# KiCad board CamTracker.kicad_pcb (continued)
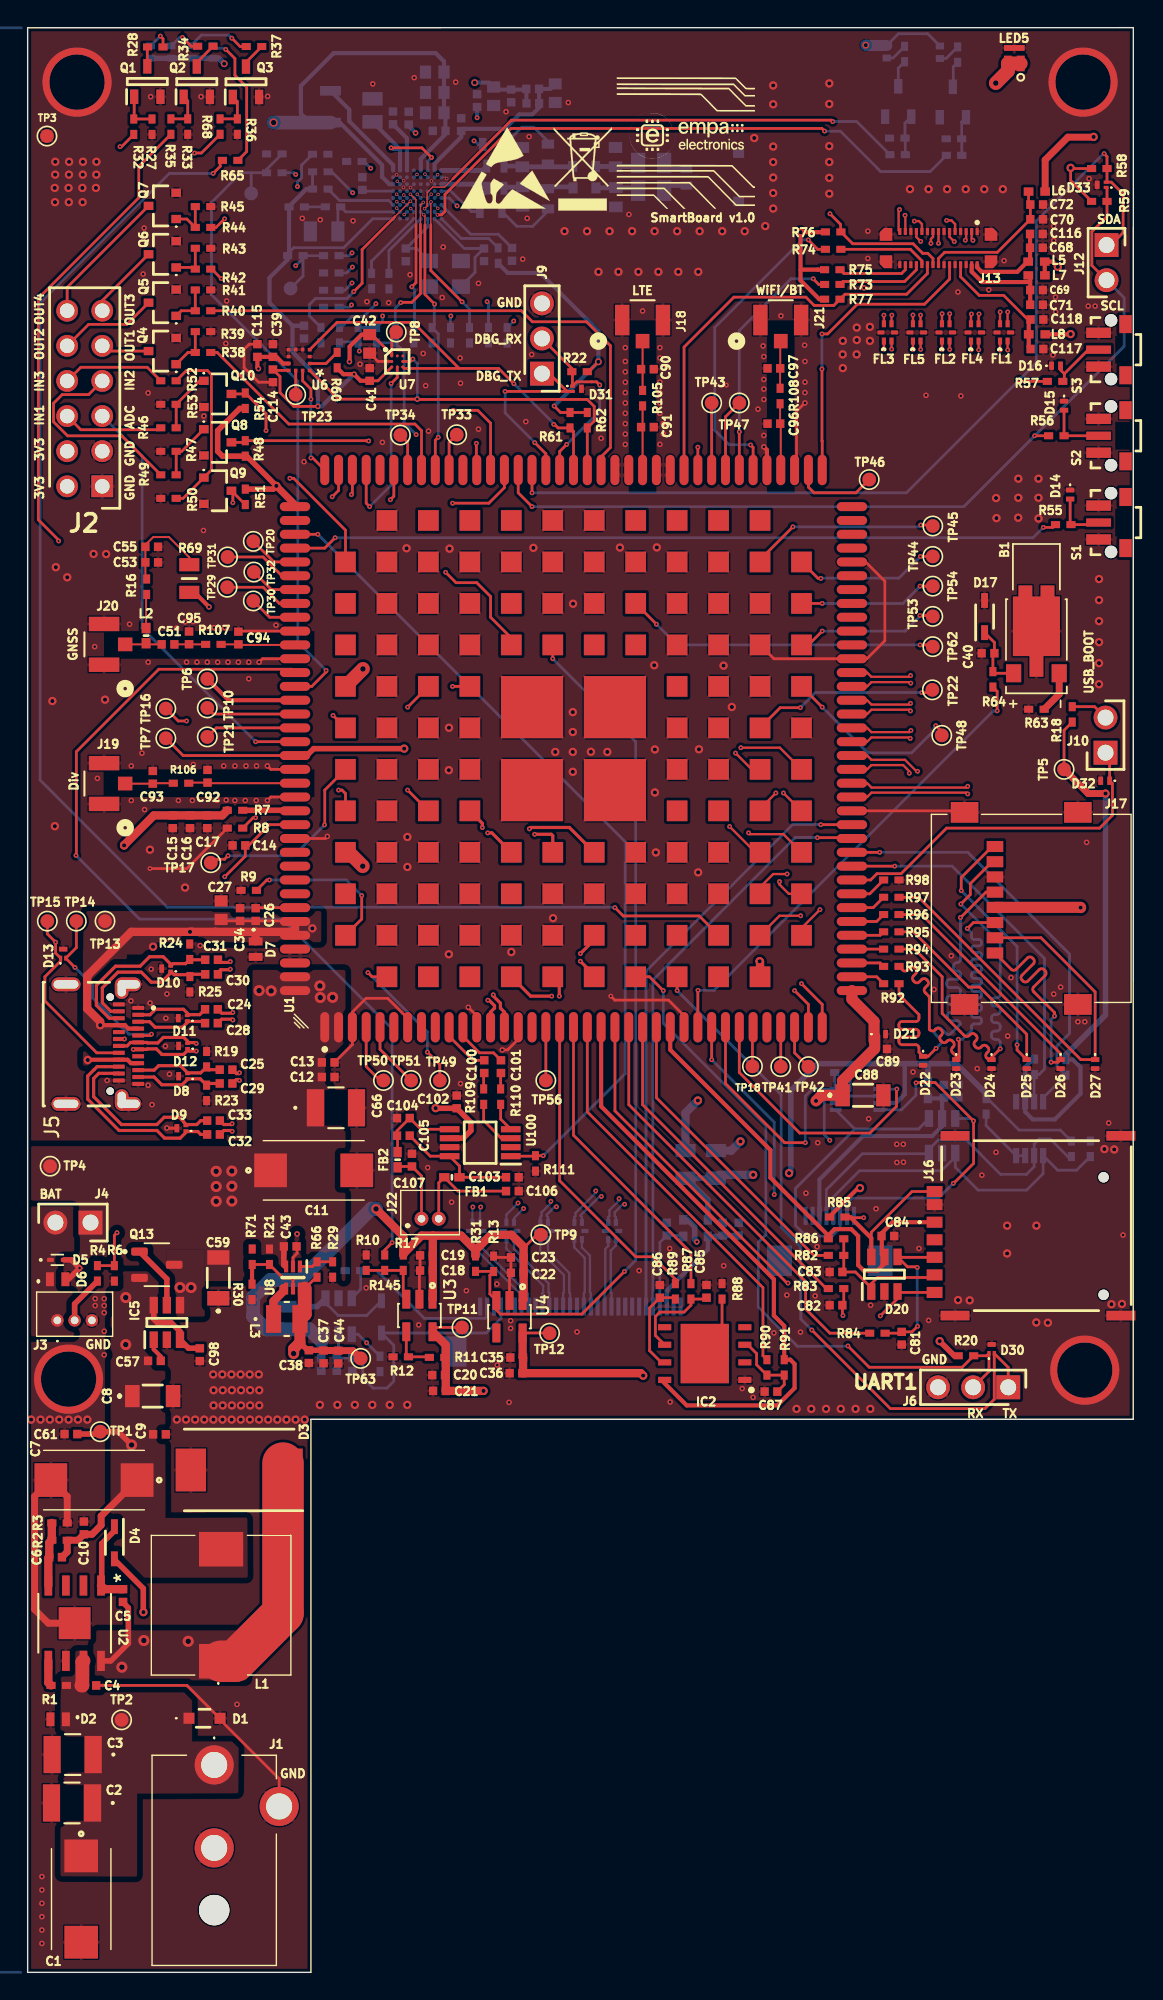
[diagram p0: board, top side]
## Placement (name value [footprint] x y rotation side) (continued)
TP45  VBAT  [TestPoint_Pad_D1.0mm]  65.5 104.6 0 top
TP46  VBAT  [TestPoint_Pad_D1.0mm]  60.9 107.96 90 top
TP47  VBAT  [TestPoint_Pad_D1.0mm]  51.5 113.5 0 top
TP48  VBAT  [TestPoint_Pad_D1.0mm]  66.15 89.46 270 top
TP49  VBAT  [TestPoint_Pad_D1.0mm]  29.83 64.5 0 top
TP50  VBAT  [TestPoint_Pad_D1.0mm]  25.75 64.5 90 top
TP51  VBAT  [TestPoint_Pad_D1.0mm]  27.75 64.5 90 top
TP53  VBAT  [TestPoint_Pad_D1.0mm]  65.5 98.06 270 top
TP54  VBAT  [TestPoint_Pad_D1.0mm]  65.5 100.25 270 top
TP56  VBAT  [TestPoint_Pad_D1.0mm]  37.5 64.5 0 top
TP62  Sens_M  [TestPoint_Pad_D1.0mm]  65.5 95.88 270 top
TP63  Sens_P  [TestPoint_Pad_D1.0mm]  24.1 44.4 180 top
U1  SC200EEMNA-E53-UGNDA  [SC200E_SC206E]  39.5 88.5 90 top
U2  RT8279GSP  [SOP8L_EP1_RIT]  3.4 25.25 270 top
U3  AP7335-WG-7  [SOT95P285X145-5N]  28.35 47.5 270 top
U4  AP7343DQ-11W5-7  [SOT95P285X145-5N]  34.87 47.42 270 top
U6  LIS2DH12TR  [LGA-12_STM]  19.65 116.6 180 top
U7  MMC3630KJ  [BGA8C40P3X3_120X120X57]  26.75 116.5 0 top
U8  AP61100Z6-7  [SOT50P162X60-6N]  19.2 50.25 270 top
U9  AP5724WG-7  [SOT95P285X140-6N]  22.5 47.45 270 bottom
U100  PAM8302AASCR  [SOP65P490X110-8N]  32.75 60 180 top
Y1  27.120MHz  [ABM810000MHZ12D2W]  30.2 122.84 0 bottom

## Library data of the parts
B1 = -: Description: Vibration Sensors HD MOTOR 2.7VDC 33OHM 14000RPM; Manufacturer: PUI Audio
C1 = -: Datasheet: https://content.kemet.com/datasheets/KEM_T2009_T495.pdf; Description: Capacitor 100uF 16V, Tantalum, Low ESR, 8 % , 100 mOhms; Manufacturer: KEMET; Part Number: T495X107M016ATE1007280
C2 C3 C66 = -: Datasheet: UMK325BJ475MM-T; Description: Capacitor 4.7uF 50V Multilayer Ceramic Capacitors MLCC  X5R  20%; Manufacturer: TAIYO YUDEN; Part Number: UMK325BJ475MM-T; ki_fp_filters: CAP_UMK325B7475MM-T_TAY CAP_UMK325B7475MM-T_TAY-M CAP_UMK325B7475MM-T_TAY-L
C4 = -: Datasheet: https://ds.yuden.co.jp/TYCOMPAS/ut/detail?pn=UMK105B7104KVHF&u=M; Description: Capacitor 100nF +/-10% 50V  X7R CH0402; Manufacturer: TAIYO YUDEN; Part Number: UMK105B7104KVHF
C5 = -: Datasheet: http://www.murata.com/~/media/webrenewal/support/library/catalog/products/capacitor/mlcc/c02e.pdf; Description: Capacitor 10nF, 50V 0402; Manufacturer: Murata Electronics; Part Number: GRM155R71H103KA88D
C6 = -: Datasheet: http://www.murata.com/~/media/webrenewal/support/library/catalog/products/capacitor/mlcc/c02e.pdf; Description: Capacitor 82pF, 50V, X5R, 0402; Manufacturer: Murata Electronics; Part Number: GRM1555C1H820JA01D
C7 C11 = -: Datasheet: https://content.kemet.com/datasheets/KEM_T2009_T495.pdf; Description: Capacitor 100uF 10V Tantalum Capacitors ESR=80mOhms 10%; Manufacturer: KEMET; Part Number: T495D107K010ATE080
C8 C59 C88 = -: Datasheet: https://search.murata.co.jp/Ceramy/image/img/A01X/G101/ENG/GRM31CR60J476ME19-01A.pdf; Description: Capacitor 47uF, 6.3V, X5R; Manufacturer: Murata Electronics; Part Number: GRM31CR60J476ME19L
C9 C12 C19 C21 C23 C26 C36 C38 C39 C55 C57 C69 C72 C77 C80 C84 C113 C114 C116 C117 C122 C144 = -: Datasheet: http://www.murata.com/~/media/webrenewal/support/library/catalog/products/capacitor/mlcc/c02e.pdf; Description: Capacitor 100nF, 10V, X7R, 0402; Manufacturer: Murata Electronics; Part Number: GRM155R71A104KA01D
C10 C17 C89-C97 C103 C104 C106 C107 = -: Datasheet: http://www.murata.com/~/media/webrenewal/support/library/catalog/products/capacitor/mlcc/c02e.pdf; Description: Capacitor 33pF, 50V, X5R, 0402; Manufacturer: Murata Electronics; Part Number: GRM1555C1H330JA01D
C13 = -: Datasheet: http://www.murata.com/~/media/webrenewal/support/library/catalog/products/capacitor/mlcc/c02e.pdf; Description: Capacitor 82pF, 50V, 0402; Manufacturer: Murata Electronics; Part Number: GRM1555C1H820JA01D
C14 C75 = -: Datasheet: http://www.murata.com/~/media/webrenewal/support/library/catalog/products/capacitor/mlcc/c02e.pdf; Description: Capacitor 1000pF, 50V, X5R, 0402; Manufacturer: Murata Electronics; Part Number: GRM1555C1H102JA01D
C15 C61 C102 = -: Datasheet: https://search.murata.co.jp/Ceramy/image/img/A01X/G101/ENG/GRM155R61H105KE05-01A.pdf; Description: Capacitor 22uF, 6.3V, X5R, 0402; Manufacturer: Murata Electronics; Part Number: GRM158R60J226ME01D
C16 C18 C20 C22 C34 C35 C37 C40 C41 C47 C53 C70 C73 C74 C78 C118 = -: Datasheet: https://search.murata.co.jp/Ceramy/image/img/A01X/G101/ENG/GRM155R61H105KE05-01A.pdf; Description: Capacitor 1uF, 50V, X5R, 0402; Manufacturer: Murata Electronics; Part Number: GRM155R61H105KE05D
C24 C28 C32 C33 C58 C120 C124 C136 = -: Datasheet: http://www.murata.com/~/media/webrenewal/support/library/catalog/products/capacitor/mlcc/c02e.pdf; Description: Capacitor 220nF, 10V, X5R, 0402; Manufacturer: Murata Electronics; Part Number: GRM155R61A224JE19D
C25 C29-C31 = -: Datasheet: http://www.murata.com/~/media/webrenewal/support/library/catalog/products/capacitor/mlcc/c02e.pdf; Description: Capacitor 330nF, 10V, X5R, 0402; Manufacturer: Murata Electronics; Part Number: GRM155R61A334KE15D
C27 C42 C46 C52 C54 C62 C67 = -: Description: Capacitor 4.7uF 10V X5R MLCC +/-10% 0603; Manufacturer: TAIYO YUDEN; Part Number: LMK107BJ475KA-T
C43 C44 C100 C101 C115 = -: Datasheet: http://www.murata.com/~/media/webrenewal/support/library/catalog/products/capacitor/mlcc/c02e.pdf; Description: Capacitor 10uF, 6.3V, X5R, 0402; Manufacturer: Murata Electronics; Part Number: GRM155R60J106ME15D
C45 C48 = -: Description: Capacitor 47pF 50V 0603; Manufacturer: KYOCERA AVX; Part Number: 06035A470FAT2A; ki_fp_filters: CAP_CL10_SAM CAP_CL10_SAM-M CAP_CL10_SAM-L
C49 C50 = -: Description: Capacitor 200pF 50V 0603; Manufacturer: KEMET; Part Number: C0603C201F5GACTU
C51 C60 C64 C112 = -: Datasheet: http://www.murata.com/~/media/webrenewal/support/library/catalog/products/capacitor/mlcc/c02e.pdf; Description: Capacitor 100pF, 50V, X5R, 0402; Manufacturer: Murata Electronics; Part Number: GRM1555C1H820JA01D
C56 = -: Datasheet: https://search.murata.co.jp/Ceramy/image/img/A01X/G101/ENG/GRM21BR61E226ME44-01A.pdf; Description: Capacitor 22uF, 25V, Ceramic, 0805 , +85C, X5R Dielectric, +/-20% SMD; Manufacturer: Murata Electronics; Part Number: GRM21BR61E226ME44L
C68 C71 C76 C79 = -: Datasheet: http://www.murata.com/~/media/webrenewal/support/library/catalog/products/capacitor/mlcc/c02e.pdf; Description: Capacitor 4.7uF, 6.3V, X5R, 0402; Manufacturer: Murata Electronics; Part Number: GRM155R60J475ME47D
C81-C83 C85-C87 C98 = -: Datasheet: http://www.murata.com/~/media/webrenewal/support/library/catalog/products/capacitor/mlcc/c02e.pdf; Description: Capacitor 22pF, 50V, X5R, 0402; Manufacturer: Murata Electronics; Part Number: GRM1555C1H220JA01D
C105 = -: Datasheet: http://www.murata.com/~/media/webrenewal/support/library/catalog/products/capacitor/mlcc/c02e.pdf; Description: Capacitor 100pF, 50V, X5R, 0402; Manufacturer: Murata Electronics; Part Number: GRM1555C1H101JA01D
C127 C129 = -: Datasheet: http://www.murata.com/~/media/webrenewal/support/library/catalog/products/capacitor/mlcc/c02e.pdf; Description: Capacitor 10pF, 50V, X5R, 0402; Manufacturer: Murata Electronics; Part Number: GRM1555C1H100JA01D
C131 C137 = -: Datasheet: https://componentsearchengine.com/Datasheets/1/C1608C0G1H102F080AA.pdf; Description: Capacitor 1000pF 50V 0603; Manufacturer: TDK; Part Number: C1608C0G1H102F080AA
C138 C139 = -: Description: Capacitor 750pF 50V 0603; Manufacturer: KEMET; Part Number: C0603C751F5GACTU
D1 = -: Datasheet: https://semtech.my.salesforce.com/sfc/p/#E0000000JelG/a/2R000000HTxH/RR10aQG36Xi0_9rrc6CNXtCd.ju6CYQhOj9cf.EljbY; Description: TVS Bi Vrwm=12V 100pF SOD-323 RO; Manufacturer: SEMTECH
D2 D6 D7 = -: Datasheet: https://www.littelfuse.com/~/media/electronics/datasheets/tvs_diode_arrays/littelfuse_tvs_diode_array_sc11xx_datasheet.pdf.pdf; Description: ESD Suppressors / TVS Diodes TVS DIODE 30KV; Manufacturer: LITTELFUSE
D3 = -: Description: Diode Schottky  50V 5A; Manufacturer: Diodes Incorporated
D4 D17 D18 = -: Datasheet: https://www.diodes.com//assets/Datasheets/ds31543.pdf; Description: Diode Schottky & Rectifiers 1A 40V SMT; Manufacturer: Diodes Incorporated
D5 = -: Description: TVS ESD BiDirectional VRWM=5V; Manufacturer: ON Semiconductor
D8-D13 D30 D31 D33 = -: Datasheet: https://componentsearchengine.com/Datasheets/1/SP0402U-ULC-02ETG.pdf; Description: ESD Suppressors / TVS Diodes 5V .2pF 20kV 2CH; Manufacturer: LITTELFUSE
D14-D16 D21-D27 D32 = -: Datasheet: https://www.littelfuse.com/media?resourcetype=datasheets&itemid=fff6fc88-c477-4ea4-984b-6b98f832da15&filename=littelfuse-tvs-diode-array-sc1205-01etg-datasheet-1; Description: TVS Diode, General Purpose Surge Protection; Manufacturer: Littelfuse
D19 D20 = -: Datasheet: https://datasheet.datasheetarchive.com/originals/distributors/Datasheets-DGA26/1842016.pdf; Description: TVS Diode Array, 300W, 6-Pin SOT-23; Manufacturer: SEMTECH
FB1 FB2 = -: Datasheet: https://www.we-online.com/catalog/datasheet/74269242111.pdf; Description: Ferrite Bead 110Ohm WE-TMSB DCR=0.09Ohms 1200mA; Manufacturer: Wurth Elektronik; Part Number: 74269242111
FL1-FL10 = -: Datasheet: https://www.littelfuse.com/~/media/electronics/datasheets/emc_components/littelfuse_emi_filter_lcfe_datasheet.pdf.pdf; Description: Common Mode Chokes / Filters 90ohms 25% 100A 2 Lines 1210; Manufacturer: LITTELFUSE
IC1 = -: Description: RFID Reader/Transponder IC 13.56MHz FeliCa, ISO 14443A, ISO 14443B, ISO 15693, Mifare, NFC I2C, SPI, USB 2.4V ~ 5.5V 64-VFBGA; Manufacturer: NXP
IC2 = -: Description: ESIM GSMA SYS-ON-CHIP SOLUTION, VFDFPN; Manufacturer: STMicroelectronics
IC3 = -: Datasheet: http://www.ti.com/lit/gpn/pca9306; Description: 2-Bit Bidirectional I2C Bus and SMBus Voltage-Level Shifter; Manufacturer: Texas Instruments
IC4 = -: Datasheet: https://datasheet.datasheetarchive.com/originals/distributors/SFDatasheet-7/sf-000145437.pdf; Description: IC 2-Bit Bidirectional Voltage-Level Shifter for Open-Drain and Push-Pull Application; Manufacturer: Texas Instruments
IC5 = -: Datasheet: http://www.ti.com/lit/gpn/LM74700-Q1; Description: IC ideal diode controller; Mouser Price/Stock: https://www.mouser.co.uk/ProductDetail/Texas-Instruments/LM74700QDBVRQ1?qs=j%252B1pi9TdxUYjAZhGV8eSkQ%3D%3D; Manufacturer: Texas Instruments
J1 = -: Datasheet: https://www.cui.com/product/resource/digikeypdf/pj-059a.pdf; Description: Connector DC Power Jack; Manufacturer: CUI Devices
J2 = -: Datasheet: http://www.molex.com/pdm_docs/sd/010897221_sd.pdf; Description: Connector 12P 2.54mm Pitch 2 Row Straight PCB Header; Manufacturer: Molex
J3 = -: Datasheet: https://www.molex.com/pdm_docs/sd/530470310_sd.pdf; Description: Connector 3P 1.25mm Male; Manufacturer: Molex
J4 J10 J12 = -: Datasheet: https://cdn.amphenol-cs.com/media/wysiwyg/files/drawing/67996.pdf; Description: Connector 2P 2.54mm Header; Manufacturer: Amphenol Communications Solutions
J5 = -: Description: Connector USB Type-C; Manufacturer: GCT; ki_fp_filters: USB4080-03-A_GCT
J6 J9 = -: Description: Connector 3P 2.54mm Male Header; Manufacturer: Molex
J7 = -: Description: Connectors, 2xpin ACH; Part Number: BM02B-ACHSS-GAN-TF(LF)(SN); Manufacturer: JST
J13 = -: Description: Connector BTB 30pins; Manufacturer: YXT
J14 = -: Datasheet: https://datasheet.datasheetarchive.com/originals/distributors/SFDatasheet-1/sf-00023459.pdf; Description: Connector FPC, 30way, 0.5mm Pitch, Bottom Contact,; Manufacturer: Hirose; Part Number: FH12S-30S-0.5SH(55)
J15 = -: Datasheet: https://datasheet.datasheetarchive.com/originals/distributors/SFDatasheet-1/sf-00023459.pdf; Description: Connector HIROSE(HRS) - FH12-8S-0.5SH(55) - CONNECTOR, FPC/FFC, SMT, 0.5MM, 8 WAY; Manufacturer: Hirose; Part Number: FH12-8S-0.5SH(55)
J16 = -: Datasheet: https://gct.co/connector/sim8066; Description: Connector Memory Card Connectors 1.44mm Nano SIM Conn w/Peg and Switch; Manufacturer: GCT (GLOBAL CONNECTOR TECHNOLOGY)
J17 = -: Datasheet: https://gct.co/files/drawings/mem2067.pdf; Description: Connector - MEM2067-02-180-00-A - Memory Socket, MEM2067 Series, Memory Card, 8 Contacts, Copper Alloy, Gold Plated Contacts; Manufacturer: GCT (GLOBAL CONNECTOR TECHNOLOGY)
J18-J21 = -: Description: Connector IPEX MHF1 RF; Manufacturer: Wurth Elektronik; ki_fp_filters: COAX2_636101112001_WRE
J22 = -: Datasheet: https://componentsearchengine.com/Datasheets/2/53047-0210.pdf; Description: Connector 2P 1.25mm; Manufacturer: Molex
L1 = -: Datasheet: https://datasheet.datasheetarchive.com/originals/distributors/Datasheets-DGA11/2220670.pdf; Description: Inductor Power - 15uH 34.1mOhms 20% 3650mA; Manufacturer: TAIYO YUDEN
L2 = -: Datasheet: https://componentsearchengine.com/Datasheets/2/744784156A.pdf; Description: Inductor 56 nH Ceramic Multilayer SMD Inductor, 0402A Case, SRF: 750MHz Q: 8 200mA dc 1.6 Rdc; Manufacturer: Wurth Elektronik; Part Number: 744784156A
L3 = -: Datasheet: 74404024010; Description: Inductor 1uH 2.2A DCR=37mOhms; Manufacturer: Wurth Elektronik; Part Number: 74404024010; ki_fp_filters: IND_WE-LQS_2512_WRE
L5 L7 L8 L10-L12 = -: Datasheet: http://componentsearchengine.com/Datasheets/1/7427927291.pdf; Description: Ferrite Bead 600ohm 100MHz 300mA; Manufacturer: Wurth Elektronik; Part Number: 7427927291
L6 = -: Description: Ferrite Bead 70ohm 100MHz 1200mA; Manufacturer: Wurth Elektronik; Part Number: 7427927370
L9 = -: Datasheet: https://product.tdk.com/system/files/dam/doc/product/inductor/inductor/smd/catalog/inductor_commercial_power_vls252010cx-1_en.pdf; Description: Inductor 22uH 1.364ohm 0.46A 2.5x2.0mm; Manufacturer: TDK; Part Number: VLS252010CX-220M-1
L13 = -: Datasheet: https://search.murata.co.jp/Ceramy/image/img/P02/JELF243B-0019.pdf; Description: Inductor 1.0uH +/-20% 1.6A1008 (2520); Manufacturer Name: Murata Electronics; Part Number: LQM2HPN1R0MG0L
L15 L16 = -: Datasheet: https://psearch.en.murata.com/inductor/product/LQW18CNR16J00%23.html; Description: Inductor 160nH 1A 100mR; Manufacturer: Murata Electronics; Part Number: LQW18CNR16J00D
LED1 LED4 LED6 = -: Datasheet: https://fscdn.rohm.com/en/products/databook/datasheet/opto/led/chip_mono/sml-p11vtt86(r)-e.pdf; Description: LED RED SMD Vf=1.8V If=1mA 0402; Manufacturer: ROHM Semiconductor
LED2 LED7 = -: Datasheet: https://fscdn.rohm.com/en/products/databook/datasheet/opto/led/chip_mono/sml-p11vtt86(r)-e.pdf; Description: LED Yellow SMD Vf=1.8V If=1mA 0402; Manufacturer: ROHM Semiconductor
LED3 = -: Datasheet: https://fscdn.rohm.com/en/products/databook/datasheet/opto/led/chip_mono/sml-p11vtt86(r)-e.pdf; Description: LED Orange SMD Vf=1.8V If=1mA 0402; Manufacturer: ROHM Semiconductor
LED5 = -: Description: LED High Power White Vf=3.3V; Manufacturer: Lite-On Inc.; ki_fp_filters: LED_LTPL-C034UVHXXX_LTO LED_LTPL-C034UVHXXX_LTO-M LED_LTPL-C034UVHXXX_LTO-L
Q1-Q3 Q11 Q12 = -: Datasheet: https://assets.nexperia.com/documents/data-sheet/BC847X_SER.pdf; Description: Transistor BJT NPN 45 V 100 mA 100MHz 250 mW Surface Mount TO-236AB; Manufacturer: Nexperia
Q4-Q10 = -: Datasheet: https://assets.nexperia.com/documents/data-sheet/BC817_SER.pdf; Description: Transistor BJT 500 mA NPN; Manufacturer: Nexperia
Q13 = -: Description: Mosfet N-Channel 30 V 5.7A (Ta) 1.4W (Ta) Surface Mount SOT-23-3; Manufacturer: Alpha & Omega Semiconductor
R1 R2 R85 = -: Description: Resistor 100K 1/16W CH0402; Manufacturer: YAGEO; Part Number: RC0402JR-07100KL; ki_fp_filters: RC0402N_YAG RC0402N_YAG-M RC0402N_YAG-L
R3 = -: Description: Resistor 43K 1/16W CH0402; Manufacturer: YAGEO; Part Number: RC0402JR-0743KL; ki_fp_filters: RC0402N_YAG RC0402N_YAG-M RC0402N_YAG-L
R4 R7-R9 R63 R64 R71 R73 R74 R88 R105-R108 R114-R117 R121 R126 R131 R145 = -: Description: Resistor 0R 1/16W CH0402; Manufacturer: YAGEO; Part Number: RC0402JR-070RL; ki_fp_filters: RC0402N_YAG RC0402N_YAG-M RC0402N_YAG-L
R6 R12 = -: Description: Resistor 47K 1/16W CH0402; Manufacturer: YAGEO; Part Number: RC0402JR-0747KL; ki_fp_filters: RC0402N_YAG RC0402N_YAG-M RC0402N_YAG-L
R10 R13 R17 R18 R20-R22 R27 R30-R33 R35 R36 R39 R41 R43 R45-R54 R58 R59 R67 R68 R70 R72 R75 R78 R86 R91 R109-R112 R118-R120 R122-R125 R132-R134 R136-R142 R144 = -: Description: Resistor 10K 1/16W CH0402; Manufacturer: YAGEO; Part Number: RC0402JR-0710KL; ki_fp_filters: RC0402N_YAG RC0402N_YAG-M RC0402N_YAG-L
R11 = -: Description: Resistor 147K 1/16W CH0402; Manufacturer: YAGEO; Part Number: RC0402FR-07147KL; ki_fp_filters: RC0402N_YAG RC0402N_YAG-M RC0402N_YAG-L
R14 R15 R69 = -: Datasheet: http://www.vishay.com/docs/20035/dcrcwe3.pdf; Description: Resistor 0R 1/8watt 0805; Height: 0.5; Mouser Part Number: 71-CRCW0805-0-E3; Mouser Price/Stock: https://www.mouser.co.uk/ProductDetail/Vishay-Dale/CRCW08050000Z0EA?qs=waxnFHLl2hB4NcTp6tAQPA%3D%3D; Manufacturer: Vishay; Part Number: CRCW08050000Z0EA
R16 = -: Description: Resistor 10R 1/16W CH0402; Manufacturer: YAGEO; Part Number: RC0402JR-0710RL; ki_fp_filters: RC0402N_YAG RC0402N_YAG-M RC0402N_YAG-L
R19 R23-R25 = -: Description: Resistor 220K 1/16W CH0402; Manufacturer: YAGEO; Part Number: RC0402FR-07220KL; ki_fp_filters: RC0402N_YAG RC0402N_YAG-M RC0402N_YAG-L
R26 = -: Description: Resistor 200K 1/16W CH0402; Manufacturer: YAGEO; Part Number: RC0402FR-07200KL; ki_fp_filters: RC0402N_YAG RC0402N_YAG-M RC0402N_YAG-L
R28 R34 R37 R38 R40 R42 R44 R55-R57 R98 R113 R146 = -: Description: Resistor 1K 1/16W CH0402; Manufacturer: YAGEO; Part Number: RC0402JR-071KL; ki_fp_filters: RC0402N_YAG RC0402N_YAG-M RC0402N_YAG-L
R29 = -: Description: Resistor 44K2 1/16W CH0402; Manufacturer: YAGEO; Part Number: RC0402FR-0744K2L; ki_fp_filters: RC0402N_YAG RC0402N_YAG-M RC0402N_YAG-L
R60 R92-R97 = -: Description: Resistor 33R 1/16W CH0402; Manufacturer: YAGEO; Part Number: RC0402JR-0733RL; ki_fp_filters: RC0402N_YAG RC0402N_YAG-M RC0402N_YAG-L
R61 R62 R65 R76 R77 R127 R128 R148 R149 R151 R152 = -: Description: Resistor 2K2 1/16W CH0402; Manufacturer: YAGEO; Part Number: RC0402JR-072K2L; ki_fp_filters: RC0402N_YAG RC0402N_YAG-M RC0402N_YAG-L
R66 = -: Description: Resistor 240K 1/16W CH0402; Manufacturer: YAGEO; Part Number: RC0402FR-07240KL; ki_fp_filters: RC0402N_YAG RC0402N_YAG-M RC0402N_YAG-L
R79 = -: Description: Resistor 2R4 1/16W CH0402; Manufacturer: YAGEO; Part Number: RC0402JR-072R4L; ki_fp_filters: RC0402N_YAG RC0402N_YAG-M RC0402N_YAG-L
R81 = -: Description: Resistor 4K7 1/16W CH0402; Manufacturer: YAGEO; Part Number: RC0402JR-074K7L; ki_fp_filters: RC0402N_YAG RC0402N_YAG-M RC0402N_YAG-L
R82-R84 R87 R89 R90 = -: Description: Resistor 22R 1/16W CH0402; Manufacturer: YAGEO; Part Number: RC0402JR-0722RL; ki_fp_filters: RC0402N_YAG RC0402N_YAG-M RC0402N_YAG-L
R129 R130 = -: Description: Resistor 0.02R 1/4W Current Sense Resistor 0805; Manufacturer: Vishay; Part Number: RCWE080520L0FMEA
R135 R143 = -: Description: Resistor 1.5K Ohms 0603 +/- 5% 0.1W; Manufacturer: Panasonic; Part Number: ERJ-3GEYJ222V
R150 = -: Datasheet: http://www.vishay.com/docs/20035/dcrcwe3.pdf; Description: Resistor 0R 1/8watt 0805; Manufacturer: Vishay; Part Number: CRCW08050000Z0EA
S1-S3 = -: Description: Switch Tactile SPST-NO Side Actuated Surface Mount, Right Angle; Manufacturer: Wurth Elektronik
TP1-TP18 TP20-TP25 TP29-TP34 TP41-TP51 TP53 TP54 TP56 TP62 TP63 = -: Description: test point; ki_fp_filters: Pin* Test*
U1 = -: Description: SC200E Smart Module; Manufacturer: Quectel
U2 = -: Datasheet: https://www.richtek.com/assets/product_file/RT8279/DS8279-01.pdf; Description: PMIC Switching Voltage Regulators 5A, 500kHz Step-Down Converter; Manufacturer: RICHTEK
U3 = -: Description: PMIC LDO 300mA ADJ Voutput: 0.8V to 5.0V; Manufacturer: Diodes Incorporated; ki_fp_filters: SOT25_DIO SOT25_DIO-M SOT25_DIO-L
U4 = -: Description: PMIC LDO 1V1 300mA REG; Manufacturer: Diodes Inc
U6 = -: Description: IC Accelerometers MEMS; Manufacturer: ST; ki_fp_filters: LGA-12_STM LGA-12_STM-M LGA-12_STM-L
U7 = -: Datasheet: https://www.mouser.es/datasheet/2/821/Memsic_02032020_MMC3630KJ-B_User_Guide-1759765.pdf; Description: IC Board Mount Hall Effect/Magnetic Sensors High Performance, Ultra-small, 3-axis AMR Magnetic Sensor; Manufacturer: MEMSIC
U8 = -: Datasheet: https://www.diodes.com//assets/Datasheets/AP61100-AP61102.pdf; Description: PMIC DC/DC Converter 1A ADJ; Manufacturer: Diodes Incorporated
U9 = -: Datasheet: https://www.diodes.com//assets/Datasheets/AP5724.pdf; Description: IC LED DRVR 6Segment 3.3V/5V 6Pin SOT26 DiodesZetex AP5724WG-7, LED Display Driver; Manufacturer: Diodes Incorporated
U100 = -: Datasheet: https://www.diodes.com/assets/Datasheets/PAM8302A.pdf; Description: IC Auido Amplifier  1-Channel (Mono) Class D 8-MSOP; Manufacturer: Diodes Incorporated
Y1 = -: Datasheet: https://abracon.com/Resonators/abm8.pdf; Description: Crystal 27.12 MHz 10pF 15ppm +/-10ppm; Manufacturer: ABRACON; Part Number: ABM8-27.120MHZ-10-D1G-T

## Footprints (pads in the part's own frame, mm; a bottom-side part is the same pattern mirrored in y, then rotated)
0402
  rect 0.7x0.6 smd: 1(-0.6,0) 2(0.6,0)
530470210
  round 1 hole 0.55: 1(0,0) 2(-1.25,0)
530470310
  round 0.9 hole 0.55: 1(0,0) 2(-1.25,0) 3(-2.5,0)
436333033816
  round 0.9 hole 0.9 unplated: (-2.125,0) (2.125,0)
  rect 0.75x1.8 smd: 1(-1.225,0.9) 3(1.225,0.9)
  rect 0.6x1.8 smd: 2(0,0.9)
  rect 1.3x0.9 smd: Z1(-1.85,-1.05) Z2(1.85,-1.05)
ABM810000MHZ12D2W
  rect 1.3x1.05 smd: 1(-1.15,-0.925) 2(1.15,-0.925) 3(1.15,0.925) 4(-1.15,0.925)
BC81740215
  rect 0.6x0.7 smd: 1(-0.95,-1) 2(0.95,-1) 3(0,1)
BEADC1005X55N
  rect 0.75x0.6 smd: 1(-0.55,0) 2(0.55,0)
BGA8C40P3X3_120X120X57
  round 0.208 smd: A1(-0.4,0.4) A2(0,0.4) A3(0.4,0.4) B1(-0.4,0) B3(0.4,0) C1(-0.4,-0.4) C2(0,-0.4) C3(0.4,-0.4)
BGA64C50P8X8_450X450X90
  round 0.29 smd: A1(-1.75,1.75) A2(-1.25,1.75) A3(-0.75,1.75) A4(-0.25,1.75) A5(0.25,1.75) A6(0.75,1.75) A7(1.25,1.75) A8(1.75,1.75) B1(-1.75,1.25) B2(-1.25,1.25) B3(-0.75,1.25) B4(-0.25,1.25) B5(0.25,1.25) B6(0.75,1.25) B7(1.25,1.25) B8(1.75,1.25) C1(-1.75,0.75) C2(-1.25,0.75) C3(-0.75,0.75) C4(-0.25,0.75) C5(0.25,0.75) C6(0.75,0.75) C7(1.25,0.75) C8(1.75,0.75) D1(-1.75,0.25) D2(-1.25,0.25) D3(-0.75,0.25) D4(-0.25,0.25) D5(0.25,0.25) D6(0.75,0.25) D7(1.25,0.25) D8(1.75,0.25) E1(-1.75,-0.25) E2(-1.25,-0.25) E3(-0.75,-0.25) E4(-0.25,-0.25) E5(0.25,-0.25) E6(0.75,-0.25) E7(1.25,-0.25) E8(1.75,-0.25) F1(-1.75,-0.75) F2(-1.25,-0.75) F3(-0.75,-0.75) F4(-0.25,-0.75) F5(0.25,-0.75) F6(0.75,-0.75) F7(1.25,-0.75) F8(1.75,-0.75) G1(-1.75,-1.25) G2(-1.25,-1.25) G3(-0.75,-1.25) G4(-0.25,-1.25) G5(0.25,-1.25) G6(0.75,-1.25) G7(1.25,-1.25) G8(1.75,-1.25) H1(-1.75,-1.75) H2(-1.25,-1.75) H3(-0.75,-1.75) H4(-0.25,-1.75) H5(0.25,-1.75) H6(0.75,-1.75) H7(1.25,-1.75) H8(1.75,-1.75)
BM02B-ACHSS-GAN-TF
  rect 0.6x0.85 smd: 1(-0.6,1.887) 2(0.6,1.887)
  rect 0.7x0.8 smd: S1(-1.75,-1.887) S2(1.75,-1.887)
CAP_CL10_SAM
  rect 0.656x0.8 smd: 1(-0.828,0) 2(0.828,0)
CAP_UMK325B7475MM-T_TAY
  rect 1.245x2.692 smd: 1(-1.486,0) 2(1.486,0)
CAPC1005X55N
  rect 0.6x0.62 smd: 1(-0.46,0) 2(0.46,0)
CAPC1608X80N
  rect 0.54x0.94 smd: 1(-0.8,0) 2(0.8,0)
CAPC1608X87N
  rect 0.78x0.98 smd: 1(-0.7,0) 2(0.7,0)
CAPC1608X90N
  rect 0.81x0.94 smd: 1(-0.67,0) 2(0.67,0)
CAPC2012X145N
  rect 0.97x1.47 smd: 1(-0.83,0) 2(0.83,0)
COAX2_636101112001_WRE
  rect 0.991x1.041 smd: 1(0,-1.53)
  rect 1.041x2.21 smd: 2(-1.475,-0.005) 3(1.475,-0.005)
DIOM7959X250N
  rect 2.2x3.1 smd: 1(-3.5,0) 2(3.5,0)
ERJ3EKF1000V
  rect 0.65x0.9 smd: 1(-0.725,0) 2(0.725,0)
FH12S30S05SH55
  rect 0.3x1.3 smd: 1(-7.25,-2.15) 2(-6.75,-2.15) 3(-6.25,-2.15) 4(-5.75,-2.15) 5(-5.25,-2.15) 6(-4.75,-2.15) 7(-4.25,-2.15) 8(-3.75,-2.15) 9(-3.25,-2.15) 10(-2.75,-2.15) 11(-2.25,-2.15) 12(-1.75,-2.15) 13(-1.25,-2.15) 14(-0.75,-2.15) 15(-0.25,-2.15) 16(0.25,-2.15) 17(0.75,-2.15) 18(1.25,-2.15) 19(1.75,-2.15) 20(2.25,-2.15) 21(2.75,-2.15) 22(3.25,-2.15) 23(3.75,-2.15) 24(4.25,-2.15) 25(4.75,-2.15) 26(5.25,-2.15) 27(5.75,-2.15) 28(6.25,-2.15) 29(6.75,-2.15) 30(7.25,-2.15)
  rect 1.8x2.2 smd: MP1(-9.15,1.1) MP2(9.15,1.1)
FH128S05SH55
  rect 0.3x1.3 smd: 1(1.75,3.362) 2(1.25,3.362) 3(0.75,3.362) 4(0.25,3.362) 5(-0.25,3.362) 6(-0.75,3.362) 7(-1.25,3.362) 8(-1.75,3.362)
  rect 1.8x2.2 smd: MP1(3.65,0.112) MP2(-3.65,0.112)
GCT_USB4080-03-A_REVA
  round 0.55 hole 0.55 unplated: (-3.4,-1.35) (3.4,-1.35)
  oval 1.549x0.991 hole 1.2x0.6: 31(-4.042,-0.518) 32(4.041,-0.518)
  rect 0.3x0.85 smd: A1(-2.62,0.675) A2(-2.12,0.675) A3(-1.62,0.675) A4(-1.12,0.675) A5(-0.62,0.675) A6(-0.12,0.675) A7(0.38,0.675) A8(0.88,0.675) A9(1.38,0.675) A10(1.88,0.675) A11(2.38,0.675) A12(2.88,0.675) B1(2.63,-0.725) B2(2.13,-0.725) B3(1.63,-0.725) B4(1.13,-0.725) B5(0.63,-0.725) B6(0.13,-0.725) B7(-0.37,-0.725) B8(-0.87,-0.725) B9(-1.37,-0.725) B10(-1.87,-0.725) B11(-2.37,-0.725) B12(-2.87,-0.725)
  oval 1x1.8 hole 0.6x1.6: G1(-4.32,0) G2(4.32,-0.01)
  oval 1x2.1 hole 0.6x1.8: G3(-4.32,-4.55) G4(4.32,-4.55)
GRM31x
  rect 1.05x1.6 smd: 1(-1.475,0) 2(1.475,0)
HDRV2W67P254_2X1_254X483X858P
  rect 1.725x1.725 hole 1.15: 1(0,0)
  round 1.725 hole 1.15: 2(0,2.54)
HDRV3W66P0X254_1X3_762X249X1042P
  rect 1.725x1.725 hole 1.15: 1(0,0)
  round 1.725 hole 1.15: 2(2.54,0) 3(5.08,0)
HDRV12W87P254X254_2X6
  rect 1.575x1.575 hole 1.05: 1(0,0)
  round 1.575 hole 1.05: 2(0,2.54) 3(2.54,0) 4(2.54,2.54) 5(5.08,0) 6(5.08,2.54) 7(7.62,0) 8(7.62,2.54) 9(10.16,0) 10(10.16,2.54) 11(12.7,0) 12(12.7,2.54)
IND_WE-LQS_2512_WRE
  rect 1.092x2.007 smd: 1(-0.953,0) 2(0.953,0)
INDC1005X60N
  rect 0.75x0.65 smd: 1(-0.55,0) 2(0.55,0)
LCFE121002A900TG
  rect 0.3x0.5 smd: 1(-0.275,-0.617) 2(0.275,-0.617) 3(0.275,0.633) 4(-0.275,0.633)
  rect 0.5x0.3 smd: 5(-0.49,0.008) 6(0.49,0.008)
LGA-12_STM
  rect 0.275x0.25 smd: 1(-0.762,0.75) 2(-0.762,0.25) 3(-0.762,-0.25) 4(-0.762,-0.75) 7(0.762,-0.75) 8(0.762,-0.25) 9(0.762,0.25) 10(0.762,0.75)
  rect 0.25x0.275 smd: 5(-0.25,-0.762) 6(0.25,-0.762) 11(0.25,0.762) 12(-0.25,0.762)
LQM2HPN1R0MG0L
  rect 0.7x1.5 smd: 1(-1.15,0) 2(1.15,0)
LQW18CNR16J00D
  rect 0.508x0.94 smd: 1(-0.622,0) 2(0.622,0)
LTPL-C0676WPGB
  rect 1.125x0.575 smd: 1(0,-0.5) 2(0,0.425)
  rect 0.425x1.5 smd: 3(1.125,-0.037)
MEM20670218000A
  rect 1.5x2 smd: MP1(-6.945,0) MP2(6.945,0) MP3(6.945,8.2) MP4(-6.945,8.2)
  rect 0.8x1.2 smd: P1(3.225,2.2) P2(2.125,2.2) P3(1.025,2.2) P4(-0.075,2.2) P5(-1.175,2.2) P6(-2.275,2.2) P7(-3.375,2.2) P8(-4.475,2.2)
NS10165T220MNA
  rect 2.5x3.2 smd: 1(-4.05,0) 2(4.05,0)
PJ059A
  round 2.2 hole 2.2 unplated: (-10.5,0)
  round 2.83 hole 1.887: 1(0,0) 2(-6,0) 3(-3,-4.7)
PUI_HD-EMB1104-SM-2
  rect 1.3x1.1 smd: N(-1.95,-1.65) P(-1.95,1.65)
  custom 6.61x3.41 smd: SH1(1.45,0)
RC0402N_YAG
  rect 0.66x0.508 smd: 1(-0.559,0) 2(0.559,0)
RESC2012X50N
  rect 0.95x1.45 smd: 1(-1,0) 2(1,0)
RESC2012X70N
  rect 1.04x1.47 smd: 1(-0.94,0) 2(0.94,0)
SC200E_SC206E
  oval 2.2x0.65 smd: 1(-20.15,18) 2(-20.15,17) 3(-20.15,16) 4(-20.15,15) 5(-20.15,14) 6(-20.15,13) 7(-20.15,12) 8(-20.15,11) 9(-20.15,10) 10(-20.15,9) 11(-20.15,8) 12(-20.15,7) 13(-20.15,6) 14(-20.15,5) 15(-20.15,4) 16(-20.15,3) 17(-20.15,2) 18(-20.15,1) 19(-20.15,0) 20(-20.15,-1) 21(-20.15,-2) 22(-20.15,-3) 23(-20.15,-4) 24(-20.15,-5) 25(-20.15,-6) 26(-20.15,-7) 27(-20.15,-8) 28(-20.15,-9) 29(-20.15,-10) 30(-20.15,-11) 31(-20.15,-12) 32(-20.15,-13) 33(-20.15,-14) 34(-20.15,-15) 35(-20.15,-16) 36(-20.15,-17) 37(-20.15,-18) 74(20.15,-18) 75(20.15,-17) 76(20.15,-16) 77(20.15,-15) 78(20.15,-14) 79(20.15,-13) 80(20.15,-12) 81(20.15,-11) 82(20.15,-10) 83(20.15,-9) 84(20.15,-8) 85(20.15,-7) 86(20.15,-6) 87(20.15,-5) 88(20.15,-4) 89(20.15,-3) 90(20.15,-2) 91(20.15,-1) 92(20.15,0) 93(20.15,1) 94(20.15,2) 95(20.15,3) 96(20.15,4) 97(20.15,5) 98(20.15,6) 99(20.15,7) 100(20.15,8) 101(20.15,9) 102(20.15,10) 103(20.15,11) 104(20.15,12) 105(20.15,13) 106(20.15,14) 107(20.15,15) 108(20.15,16) 109(20.15,17) 110(20.15,18)
  oval 0.65x2.2 smd: 38(-17.5,-20.15) 39(-16.5,-20.15) 40(-15.5,-20.15) 41(-14.5,-20.15) 42(-13.5,-20.15) 43(-12.5,-20.15) 44(-11.5,-20.15) 45(-10.5,-20.15) 46(-9.5,-20.15) 47(-8.5,-20.15) 48(-7.5,-20.15) 49(-6.5,-20.15) 50(-5.5,-20.15) 51(-4.5,-20.15) 52(-3.5,-20.15) 53(-2.5,-20.15) 54(-1.5,-20.15) 55(-0.5,-20.15) 56(0.5,-20.15) 57(1.5,-20.15) 58(2.5,-20.15) 59(3.5,-20.15) 60(4.5,-20.15) 61(5.5,-20.15) 62(6.5,-20.15) 63(7.5,-20.15) 64(8.5,-20.15) 65(9.5,-20.15) 66(10.5,-20.15) 67(11.5,-20.15) 68(12.5,-20.15) 69(13.5,-20.15) 70(14.5,-20.15) 71(15.5,-20.15) 72(16.5,-20.15) 73(17.5,-20.15) 111(17.5,20.15) 112(16.5,20.15) 113(15.5,20.15) 114(14.5,20.15) 115(13.5,20.15) 116(12.5,20.15) 117(11.5,20.15) 118(10.5,20.15) 119(9.5,20.15) 120(8.5,20.15) 121(7.5,20.15) 122(6.5,20.15) 123(5.5,20.15) 124(4.5,20.15) 125(3.5,20.15) 126(2.5,20.15) 127(1.5,20.15) 128(0.5,20.15) 129(-0.5,20.15) 130(-1.5,20.15) 131(-2.5,20.15) 132(-3.5,20.15) 133(-4.5,20.15) 134(-5.5,20.15) 135(-6.5,20.15) 136(-7.5,20.15) 137(-8.5,20.15) 138(-9.5,20.15) 139(-10.5,20.15) 140(-11.5,20.15) 141(-12.5,20.15) 142(-13.5,20.15) 143(-14.5,20.15) 144(-15.5,20.15) 145(-16.5,20.15) 146(-17.5,20.15)
  rect 1.5x1.5 smd: 147(-16.5,13.5) 148(-16.5,10.5) 149(-16.5,7.5) 150(-16.5,4.5) 151(-16.5,1.5) 152(-16.5,-1.5) 153(-16.5,-4.5) 154(-16.5,-7.5) 155(-16.5,-10.5) 156(-16.5,-13.5) 157(-13.5,-16.5) 158(-10.5,-16.5) 159(-7.5,-16.5) 160(-4.5,-16.5) 161(-1.5,-16.5) 162(1.5,-16.5) 163(4.5,-16.5) 164(7.5,-16.5) 165(10.5,-16.5) 166(13.5,-16.5) 167(16.5,-13.5) 168(16.5,-10.5) 169(16.5,-7.5) 170(16.5,-4.5) 171(16.5,-1.5) 172(16.5,1.5) 173(16.5,4.5) 174(16.5,7.5) 175(16.5,10.5) 176(16.5,13.5) 177(13.5,16.5) 178(10.5,16.5) 179(7.5,16.5) 180(4.5,16.5) 181(1.5,16.5) 182(-1.5,16.5) 183(-4.5,16.5) 184(-7.5,16.5) 185(-10.5,16.5) 186(-13.5,16.5) 187(-13.5,13.5) 188(-13.5,10.5) 189(-13.5,7.5) 190(-13.5,4.5) 191(-13.5,1.5) 192(-13.5,-1.5) 193(-13.5,-4.5) 194(-13.5,-7.5) 195(-13.5,-10.5) 196(-13.5,-13.5) 197(-10.5,-13.5) 198(-7.5,-13.5) 199(-4.5,-13.5) 200(-1.5,-13.5) 201(1.5,-13.5) 202(4.5,-13.5) 203(7.5,-13.5) 204(10.5,-13.5) 205(13.5,-13.5) 206(13.5,-10.5) 207(13.5,-7.5) 208(13.5,-4.5) 209(13.5,-1.5) 210(13.5,1.5) 211(13.5,4.5) 212(13.5,7.5) 213(13.5,10.5) 214(13.5,13.5) 215(10.5,13.5) 216(7.5,13.5) 217(4.5,13.5) 218(1.5,13.5) 219(-1.5,13.5) 220(-4.5,13.5) 221(-7.5,13.5) 222(-10.5,13.5) 223(-10.5,10.5) 224(-10.5,7.5) 225(-10.5,4.5) 226(-10.5,1.5) 227(-10.5,-1.5) 228(-10.5,-4.5) 229(-10.5,-7.5) 230(-10.5,-10.5) 231(-7.5,-10.5) 232(-4.5,-10.5) 233(-1.5,-10.5) 234(1.5,-10.5) 235(4.5,-10.5) 236(7.5,-10.5) 237(10.5,-10.5) 238(10.5,-7.5) 239(10.5,-4.5) 240(10.5,-1.5) 241(10.5,1.5) 242(10.5,4.5) 243(10.5,7.5) 244(10.5,10.5) 245(7.5,10.5) 246(4.5,10.5) 247(1.5,10.5) 248(-1.5,10.5) 249(-4.5,10.5) 250(-7.5,10.5) 251(-7.5,7.5) 252(-7.5,4.5) 253(-7.5,1.5) 254(-7.5,-1.5) 255(-7.5,-4.5) 256(-7.5,-7.5) 257(-4.5,-7.5) 258(-1.5,-7.5) 259(1.5,-7.5) 260(4.5,-7.5) 261(7.5,-7.5) 262(7.5,-4.5) 263(7.5,-1.5) 264(7.5,1.5) 265(7.5,4.5) 266(7.5,7.5) 267(4.5,7.5) 268(1.5,7.5) 269(-1.5,7.5) 270(-4.5,7.5)
  rect 4.5x4.5 smd: 271(-3,3) 272(-3,-3) 273(3,-3) 274(3,3)
